# Altium PCB LPCB220R0.PcbDoc (part 2 of 4)
Units mm, origin at the board's own origin, x right, y up, seen from the top; angles counter-clockwise.
Board outline 259.35 x 183.7 mm, 4 copper layers (Top Layer, Internal Plane 1, Mid-Layer 1, Bottom Layer); 237 components, 229 nets, 1097 pads, 413 vias.
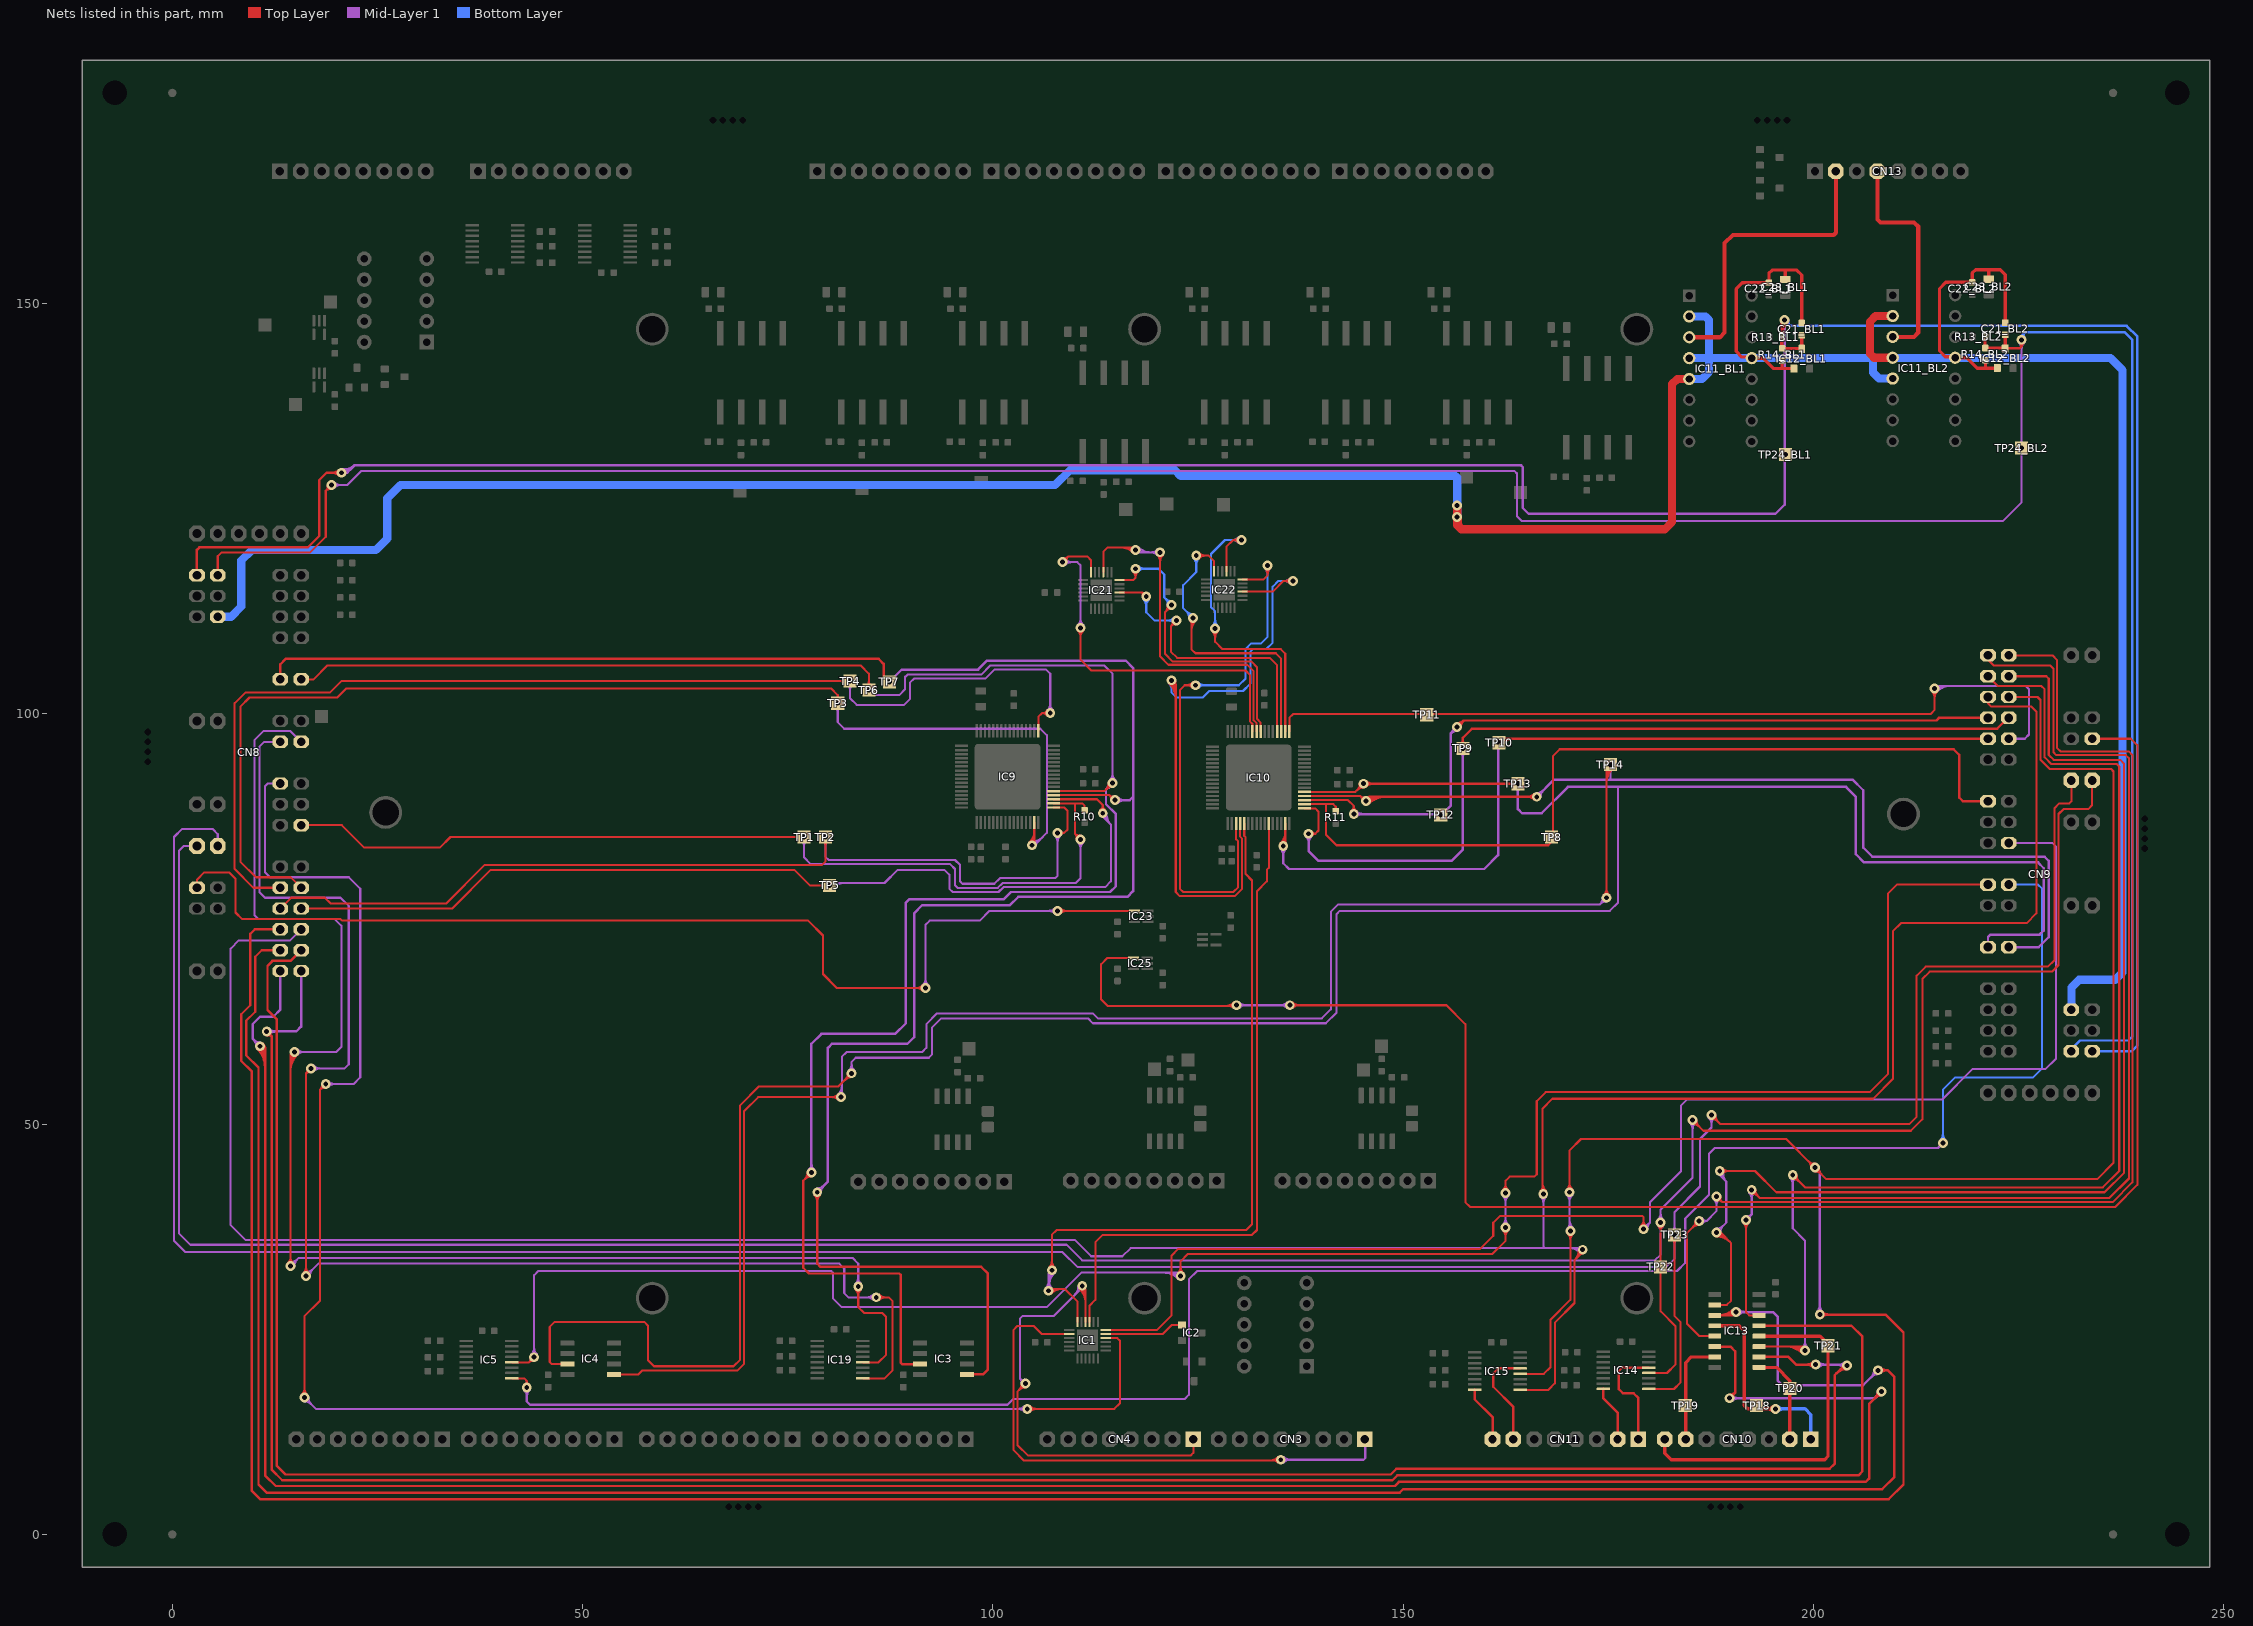
[diagram p4: the nets of this part, all layers, seen from the top]

## Via types
v1: diameter 1.2, hole 0.6, Top Layer to Bottom Layer, 341 vias
v2: diameter 0.6, hole 0.3, Top Layer to Bottom Layer, 60 vias
v3: diameter 0.5, hole 0.2, Top Layer to Bottom Layer, tented both sides, 12 vias

## Nets (pads, with @x,y where several pads share a name; then routed paths per layer and width w, separated by ;. In a path a pad name is that pad's centre, name@x,y a point inside that pad or via, vN(x,y) a via of type N, cw(c..) or ccw(c..) an arc to the next point about the centre after c; other vN are vias at no path point) (continued)
AGND: C21_BL1.2 C21_BL2.2 C22_BL1.2 C22_BL2.2 C23_BL1.2 C23_BL2.2 CN8.AGND CN9.AGND IC11_BL1.2 IC11_BL1.4 IC11_BL1.5 IC11_BL1.13 IC11_BL2.2 IC11_BL2.4 IC11_BL2.5 IC11_BL2.13 IC12_BL1.1 IC12_BL2.1 R14_BL1.1 R14_BL2.1 | length 448.8
  Top Layer w0.4: R14_BL1.1@196.2,143.05 196.2,142.1 ; C23_BL1.2@196.6,152.95 196.6,154.1 ; IC12_BL1.1@197.65,142.1 196.2,142.1 ; C21_BL1.2@198.6,147.65 198.6,153.5 198,154.1 196.6,154.1 ; IC11_BL2.13@217.17,143.55 216.09,143.55 215.39,144.25 215.39,151.85 216.14,152.6 C22_BL2.2@219.39,152.6 219.39,153.75 219.79,154.15 222.79,154.15 223.39,153.55 C21_BL2.2@223.39,147.7 ; IC11_BL2.13@217.3,143.42 218.72,143.42 219.99,142.15 220.99,142.15 ; R14_BL2.1@220.99,143.1 220.99,142.15 ; C23_BL2.2@221.39,153 221.39,154.15 ; IC12_BL2.1@222.44,142.15 220.99,142.15 ; 196.2,142.1 195.2,142.1 193.93,143.37 IC11_BL1.13@192.51,143.37 192.38,143.5 191.3,143.5 190.6,144.2 190.6,151.8 191.35,152.55 C22_BL1.2@194.6,152.55 194.6,153.7 195,154.1 196.6,154.1
  Top Layer w1: v1(156.6,125.4) v1(156.6,124) 156.6,123 157.1,122.5 ; v1@156.697,123.975 ccw(c158.191,123.591) 157.1,122.5 ; IC11_BL1.5@184.89,140.83 183.43,140.83 182.8,140.2 182.8,123.4 181.9,122.5 157.1,122.5 ; IC11_BL2.4@209.68,143.42 207.38,143.42 206.9,143.9 206.9,147.8 207.6,148.5 IC11_BL2.2@209.68,148.5
  Bottom Layer w1: CN8.AGND@5.54,111.84 7.14,111.84 8.4,113.1 8.4,118.7 9.7,120 24.8,120 26.2,121.4 26.2,126.3 27.8,127.9 107.6,127.9 109.4,129.7 122.2,129.7 122.9,129 156.4,129 156.6,128.8 v1(156.6,125.4) v1(156.6,124) ; IC11_BL1.5@184.89,140.83 186.43,140.83 187.3,141.7 187.3,143.37 ; IC11_BL1.4@184.89,143.37 187.3,143.37 ; IC11_BL1.2@184.89,148.45 186.85,148.45 187.3,148 187.3,143.37 ; IC11_BL2.5@209.68,140.88 208.02,140.88 207.3,141.6 207.3,143.37 ; CN9.AGND@231.46,63.96 231.46,66.66 232.4,67.6 236.8,67.6 237.7,68.5 237.7,141.9 236.23,143.37 207.3,143.37 ; 187.3,143.37 IC11_BL1.13@192.51,143.37 207.3,143.37
AP1_THROT_5V: CN3.1 IC1.20 | length 72.2
  Top Layer w0.254: IC1.20@109.325,24.425 105.975,24.425 105,25.4 103,25.4 102.5,24.9 102.5,10.3 103.8,9 123.9,9 135,9 v1(135.1,9.1) ; 133.717,9 ccw(c133.717,10.483) v1@134.766,9.434 ; 134.2,9 cw(c134.2,8.2) v1@134.766,8.766 ; 134.33,9 ccw(c134.33,9.87) v1@134.945,9.255
  Mid-Layer 1 w0.254: v1(135.1,9.1) 145.2,9.1 145.4,9.3 145.4,11.54 CN3.1@145.34,11.6 ; v1@135.434,8.766 cw(c136.242,7.958) 136.242,9.1 cw(c136.242,10.242) v1@135.434,9.434
AP2_THROT_5V: CN4.1 IC1.16 | length 64
  Top Layer w0.254: v1@103.527,18.4 cw(c102.385,18.4) 103.193,17.593 cw(c104,16.785) v1@104,17.927 ; v1(104,18.4) 103,17.4 103,10.9 104.3,9.6 124.1,9.6 124.44,9.94 CN4.1@124.44,11.6 ; v1@110.566,29.966 cw(c108.792,28.192) 111.3,28.192 ; v1@110.745,30.145 cw(c109.406,28.806) 111.3,28.806 ; v1(110.9,30.3) 111.3,29.9 IC1.16@111.3,25.9 ; v1@110.925,30.325 cw(c110.019,29.419) 111.3,29.419
  Mid-Layer 1 w0.254: v1@103.527,18.419 ccw(c102.75,18.45) 103.3,19 ; v1@103.868,18.854 cw(c103.707,19.407) 103.3,19 ; v1(104,18.4) 103.9,18.4 103.3,19 ; 109.951,29.151 ccw(c108.802,30.3) v1@110.427,30.3 ; 110.385,29.585 ccw(c109.669,30.3) v1@110.681,30.3 ; 110.434,29.634 cw(c110.9,29.168) v1@110.9,29.827 ; v1(110.9,30.3) 110.9,30.1 107.4,26.6 103.6,26.6 103.3,26.3 103.3,19
AUXPROP_DIR: IC1.11 IC2.1 | length 9.7
  Top Layer w0.254: IC1.11@113.775,24.425 120.725,24.425 121.825,25.525 IC2.1@123.05,25.525
B1_EXT: CN11.1 IC14.13 | length 13.9
  Top Layer w0.3: CN11.1@178.69,11.6 178.69,16.61 178.1,17.2 176.8,17.2 176.3,17.7 176.3,19.9 176.725,20.325 IC14.13@179.975,20.325
B1_RET: CN11.2 IC14.8 | length 6.8
  Top Layer w0.3: IC14.8@174.425,17.725 174.425,16.575 176.15,14.85 CN11.2@176.15,11.6
B2_EXT: CN11.7 IC15.13 | length 12.5
  Top Layer w0.3: CN11.7@163.45,11.6 163.45,15.55 161,18 161,19.6 161.625,20.225 IC15.13@164.275,20.225
B2_RET: CN11.8 IC15.8 | length 6.9
  Top Layer w0.3: IC15.8@158.725,17.625 158.725,16.475 160.91,14.29 CN11.8@160.91,11.6
B_AP_THROTTLE1: IC1.18 IC10.53 | length 100.8
  Top Layer w0.254: v1(106.8,29.7) 107,29.9 108.8,29.9 110.3,28.4 IC1.18@110.3,25.9 ; v1@106.866,32.534 ccw(c106.058,33.342) 107.2,33.342 ccw(c108.342,33.342) v1@107.534,32.534 ; v1@106.955,29.545 cw(c107.812,28.688) 107.812,29.9 ; v1@107.134,29.366 cw(c108.425,28.075) 108.425,29.9 ; v1@107.134,30.034 ccw(c107.459,30.359) 107.459,29.9 ; v1(107.2,32.2) 107.2,36.5 107.8,37.1 130.9,37.1 131.6,37.8 131.6,79.7 130.814,80.486 130.814,84.971 130.65,85.135 IC10.53@130.65,86.65
  Mid-Layer 1 w0.254: v1@106.466,30.034 ccw(c105.658,30.842) 106.8,30.842 ccw(c107.942,30.842) v1@107.134,30.034 ; v1@106.537,30.093 ccw(c106.045,30.826) 106.911,30.655 ; v1(106.8,29.7) 106.8,31.8 v1(107.2,32.2) ; v1@106.8,30.092 cw(c109.308,30.092) v1@107.534,31.866 ; 106.8,30.706 cw(c108.694,30.706) v1@107.355,32.045 ; 106.8,31.319 cw(c108.081,31.319) v1@107.175,32.225 ; 106.847,30.331 ccw(c107.434,30.216) v1@106.97,29.838 ; 106.952,30.862 ccw(c107.98,30.66) v1@107.167,29.998
B_AP_THROTTLE2: IC1.15 IC10.59 | length 80.5
  Top Layer w0.254: IC1.15@111.8,25.9 111.8,27.9 112.5,28.6 112.5,35.6 113.4,36.5 131.6,36.5 132.2,37.1 132.2,78.4 133.4,79.6 133.4,81 133.65,81.25 IC10.59@133.65,86.65
B_HE_THROTTLE1: IC10.26 IC21.18 | length 54.5
  Top Layer w0.254: v1(108.5,118.5) 109.2,119.2 ; v1@108.55,118.97 ccw(c108.635,119.765) 109.2,119.2 ; v1@108.97,118.55 cw(c109.765,118.635) 109.2,119.2 ; v1@110.366,110.166 cw(c109.558,109.358) 110.7,109.358 cw(c111.842,109.358) v1@111.034,110.166 ; v1(110.7,110.5) 110.7,106.6 112,105.3 130.8,105.3 131.372,104.728 131.372,99.057 131.65,98.779 IC10.26@131.65,97.85 ; IC21.18@111.97,117.283 111.97,118.73 111.5,119.2 109.2,119.2
  Mid-Layer 1 w0.254: v1(108.5,118.5) 110.3,118.5 110.7,118.1 v1(110.7,110.5) ; v1@108.834,118.166 cw(c109.642,117.358) 109.642,118.5 cw(c109.642,119.642) v1@108.834,118.834 ; v1@110.366,110.834 ccw(c109.558,111.642) 110.7,111.642 ccw(c111.842,111.642) v1@111.034,110.834
B_HE_THROTTLE2: IC10.25 IC21.15 | length 53.3
  Top Layer w0.254: IC21.15@113.47,117.283 113.47,119.77 114,120.3 117.1,120.3 v1(117.4,120) ; 115.534,120.3 cw(c115.534,118.134) v1@117.066,119.666 ; 116.147,120.3 cw(c116.147,118.747) v1@117.245,119.845 ; 116.76,120.3 cw(c116.76,119.36) v1@117.425,120.025 ; v1@120.066,119.366 cw(c119.258,118.558) 120.4,118.558 cw(c121.542,118.558) v1@120.734,119.366 ; v1@120.5,119.8 v1(120.4,119.7) 120.4,107 121.4,106 131,106 131.786,105.214 131.786,99.229 132.15,98.865 IC10.25@132.15,97.85
  Mid-Layer 1 w0.254: v1@117.375,119.975 ccw(c118.04,120.64) 118.04,119.7 ; v1(117.4,120) 117.7,119.7 v1(120.4,119.7) ; v1@117.555,120.155 ccw(c118.653,121.253) 118.653,119.7 ; v1@117.734,120.334 ccw(c119.266,121.866) 119.266,119.7 ; v1@120.066,119.366 ccw(c119.258,118.558) 119.258,119.7 ccw(c119.258,120.842) v1@120.066,120.034
B_HE_THROTTLE3: IC10.24 IC21.12 | length 44.8
  Top Layer w0.254: IC21.12@115.445,116.308 117.108,116.308 117.4,116.6 ; v1@117.075,117.357 cw(c116.358,116.6) 117.4,116.6 ; v1(117.4,117.7) 117.4,116.6 ; v1@117.725,117.357 ccw(c118.442,116.6) 117.4,116.6 ; 121.163,112.563 cw(c121.8,111.927) v1@121.8,112.827 ; v1@121.328,113.27 cw(c120.203,113.197) 121,112.4 ; 121.397,112.797 ccw(c120.949,113.245) v1@121.581,113.286 ; v1(121.8,113.3) 121.8,113.2 121,112.4 ; IC10.24@132.65,97.85 132.65,98.95 132.2,99.4 132.2,105.7 131.486,106.414 121.886,106.414 121,107.3 121,112.4
  Bottom Layer w0.254: v1(117.4,117.7) 120.2,117.7 120.9,117 120.9,114.2 v1(121.8,113.3) ; v1@117.734,117.366 cw(c118.542,116.558) 118.542,117.7 cw(c118.542,118.842) v1@117.734,118.034 ; v1@121.327,113.3 ccw(c120.185,113.3) 120.993,114.107 ccw(c121.8,114.915) v1@121.8,113.773
B_HE_THROTTLE4: IC10.20 IC21.9 | length 41
  Top Layer w0.254: IC21.9@115.445,114.808 118.192,114.808 ; v1@118.261,114.475 ccw(c117.973,114.589) 118.192,114.808 ; v1@118.525,114.739 cw(c118.411,115.027) 118.192,114.808 ; v1(118.7,114.3) 118.192,114.808 ; v1@121.93,111.35 cw(c121.135,111.265) 121.7,110.7 ; v1@122.35,110.93 ccw(c122.265,110.135) 121.7,110.7 ; v1(122.4,111.4) 121.7,110.7 ; IC10.20@134.65,97.85 134.65,105.95 133.772,106.828 122.472,106.828 121.7,107.6 121.7,110.7
  Bottom Layer w0.254: v1@118.366,113.966 cw(c117.558,113.158) 118.7,113.158 cw(c119.842,113.158) v1@119.034,113.966 ; v1(118.7,114.3) 118.7,112.4 119.7,111.4 v1(122.4,111.4) ; v1@122.066,111.066 ccw(c121.258,110.258) 121.258,111.4 ccw(c121.258,112.542) v1@122.066,111.734
B_HE_THROTTLE5: IC10.19 IC22.18 | length 45
  Top Layer w0.254: v1@124.066,111.366 cw(c123.741,111.041) 124.2,111.041 ; 124.2,110.075 cw(c126.025,110.075) v1@124.734,111.366 ; 124.2,110.688 cw(c125.412,110.688) v1@124.555,111.545 ; v1(124.4,111.7) 124.4,111.8 124.2,111.6 124.2,107.9 124.7,107.4 134.5,107.4 135.15,106.75 IC10.19@135.15,97.85 ; v1(124.8,119.3) 126.3,119.3 126.97,118.63 IC22.18@126.97,117.383 ; v1@125.134,118.966 cw(c125.942,118.158) 125.942,119.3 cw(c125.942,120.442) v1@125.134,119.634
  Bottom Layer w0.254: v1@123.927,111.7 ccw(c122.785,111.7) 123.593,112.507 ccw(c124.4,113.315) v1@124.4,112.173 ; v1(124.4,111.7) 123.2,112.9 123.2,115.7 124.8,117.3 v1(124.8,119.3) ; v1@124.466,118.966 cw(c123.658,118.158) 124.8,118.158 cw(c125.942,118.158) v1@125.134,118.966
B_HE_THROTTLE6: IC10.18 IC22.15 | length 46
  Top Layer w0.254: v1@126.766,110.066 cw(c125.958,109.258) 127.1,109.258 cw(c128.242,109.258) v1@127.434,110.066 ; v1(127.1,110.4) 127.1,108.8 128,107.9 135.1,107.9 135.65,107.35 IC10.18@135.65,97.85 ; IC22.15@128.47,117.383 128.47,120.37 129.3,121.2 ; v1@129.934,120.9 ccw(c129.3,120.38) 129.3,121.2 ; v1@129.934,121.5 cw(c129.3,122.02) 129.3,121.2 ; v1(130.3,121.2) 129.3,121.2
  Bottom Layer w0.254: v1@126.766,110.734 ccw(c125.958,111.542) 127.1,111.542 ccw(c128.242,111.542) v1@127.434,110.734 ; v1(127.1,110.4) 127.1,112.5 126.6,113 126.6,119.5 128.3,121.2 v1(130.3,121.2) ; v1@129.966,120.866 ccw(c129.158,120.058) 129.158,121.2 ccw(c129.158,122.342) v1@129.966,121.534
B_HE_THROTTLE7: IC10.51 IC22.12 | length 75.4
  Top Layer w0.254: v1@124.366,103.166 ccw(c123.558,102.358) 123.558,103.5 ccw(c123.558,104.642) v1@124.366,103.834 ; v1(124.7,103.5) 123.4,103.5 122.8,102.9 122.8,78.7 123.2,78.3 129.3,78.3 129.9,78.9 129.9,84.5 129.65,84.75 IC10.51@129.65,86.65 ; IC22.12@130.445,116.408 133.008,116.408 133.5,116.9 v1(133.5,118.1) ; v1@133.166,117.766 cw(c132.358,116.958) 133.5,116.958 cw(c134.642,116.958) v1@133.834,117.766
  Bottom Layer w0.254: v1(124.7,103.5) 130,103.5 130.8,104.3 130.8,107.9 131.5,108.6 132.7,108.6 133.5,109.4 v1(133.5,118.1) ; v1@125.034,103.166 cw(c125.842,102.358) 125.842,103.5 cw(c125.842,104.642) v1@125.034,103.834 ; v1@133.166,117.766 cw(c132.358,116.958) 133.5,116.958 cw(c134.642,116.958) v1@133.834,117.766
B_HE_THROTTLE8: IC10.52 IC22.9 | length 90.5
  Top Layer w0.254: v1@121.466,103.766 cw(c119.451,101.751) 122.3,101.751 ; v1@121.645,103.945 cw(c120.064,102.364) 122.3,102.364 ; v1(121.8,104.1) 122.3,103.6 ; v1@121.825,104.125 cw(c120.677,102.977) 122.3,102.977 ; v1@121.981,103.663 cw(c122.094,103.394) 122.3,103.6 ; v1@122.004,104.304 cw(c121.291,103.591) 122.3,103.591 ; v1@122.237,103.919 ccw(c122.506,103.806) 122.3,103.6 ; IC10.52@130.15,86.65 130.15,85.05 130.4,84.8 130.4,78.7 129.5,77.8 122.8,77.8 122.3,78.3 122.3,103.6 ; IC22.9@130.445,114.908 134.108,114.908 135.4,116.2 v1(136.6,116.2) ; v1@136.266,115.866 ccw(c135.458,115.058) 135.458,116.2 ccw(c135.458,117.342) v1@136.266,116.534
  Mid-Layer 1 w0.254: v1@136.4,116.4 v1(136.6,116.2)
  Bottom Layer w0.254: v1@121.466,103.766 cw(c120.658,102.958) 121.8,102.958 cw(c122.942,102.958) v1@122.134,103.766 ; v1(121.8,104.1) 121.8,102.6 122.4,102 125.6,102 126.4,102.8 130.5,102.8 131.4,103.7 131.4,107.6 131.7,107.9 133.3,107.9 134.1,108.7 134.1,115.5 134.8,116.2 v1(136.6,116.2) ; v1@136.266,115.866 ccw(c135.458,115.058) 135.458,116.2 ccw(c135.458,117.342) v1@136.266,116.534
BL_MA420IN1: CN13.2 IC11_BL1.3 | length 37
  Top Layer w0.5: IC11_BL1.3@184.89,145.91 188.61,145.91 189.2,146.5 189.2,157.4 190.2,158.4 202.5,158.4 202.75,158.65 CN13.2@202.75,166.138
BL_MA420IN2: CN13.4 IC11_BL2.3 | length 27.4
  Top Layer w0.5: CN13.4@207.83,166.138 207.83,160.27 208.2,159.9 212.3,159.9 212.8,159.4 212.8,146.5 212.26,145.96 IC11_BL2.3@209.68,145.96
BRAKE1_DIR: CN10.1 IC13.4 TP18.1 | length 27.5
  Top Layer w0.4: IC13.4@188,25.435 190.965,25.435 191.6,24.8 191.6,15.7 192,15.3 v1(195.4,15.3) ; v1@195.117,15.017 ccw(c194.434,14.334) 194.434,15.3 ccw(c194.434,16.266) v1@195.117,15.583
  Bottom Layer w0.4: v1(195.4,15.3) 199,15.3 199.69,14.61 CN10.1@199.69,11.6 ; v1@195.683,15.017 cw(c196.366,14.334) 196.366,15.3 cw(c196.366,16.266) v1@195.683,15.583
BRAKE1_STEP: CN10.2 IC13.9 TP20.1 | length 11.6
  Top Layer w0.4: IC13.9@193.4,20.355 195.545,20.355 197.15,18.75 CN10.2@197.15,11.6
BRAKE1_SW_EXT: CN8.T12 CN9.T12 IC14.12 TP22.1 | length 369.5
  Top Layer w0.254: IC14.12@179.975,19.675 182.175,19.675 183.2,20.7 183.2,25.4 181.4,27.2 v1(181.4,38) ; v1@181.066,37.666 cw(c180.258,36.858) 181.4,36.858 cw(c182.542,36.858) v1@181.734,37.666 ; v1@185.3,50.027 cw(c185.3,48.885) 186.107,49.693 cw(c186.915,50.5) v1@185.773,50.5 ; v1(185.3,50.5) 186.6,49.2 211.9,49.2 213.3,50.6 213.3,67.7 214.2,68.6 229.1,68.6 229.9,69.4 229.9,87.8 230.5,88.4 233.5,88.4 234,88.9 CN9.T12@234,91.9
  Mid-Layer 1 w0.254: CN8.T12@3,83.9 1.4,83.9 0.8,83.3 0.8,36.7 2.2,35.3 109,35.3 110.9,33.4 180.7,33.4 181.4,34.1 v1(181.4,38) 181.4,39.6 185.3,43.5 v1(185.3,50.5) ; v1@181.066,37.666 cw(c180.258,36.858) 181.4,36.858 cw(c182.542,36.858) v1@181.734,37.666 ; v1@181.066,38.334 ccw(c180.258,39.142) 181.4,39.142 ccw(c182.542,39.142) v1@181.734,38.334 ; v1@184.966,50.166 cw(c184.158,49.358) 185.3,49.358 cw(c186.442,49.358) v1@185.634,50.166
BRAKE1_SW_RET: CN8.T13 CN9.T13 IC14.9 TP23.1 | length 378.5
  Top Layer w0.254: IC14.9@179.975,17.725 183.025,17.725 183.8,18.5 183.8,25.9 183.1,26.6 v1(183.1,36.5) ; TP23.1@182.766,36.166 cw(c181.958,35.358) 183.1,35.358 cw(c184.242,35.358) TP23.1@183.434,36.166 ; v1@187.6,50.627 cw(c187.6,49.485) 188.407,50.293 cw(c189.215,51.1) v1@188.073,51.1 ; v1(187.6,51.1) 188.7,50 211.7,50 212.6,50.9 212.6,68.1 213.7,69.2 228.6,69.2 229.4,70 229.4,88.5 230,89.1 231.2,89.1 231.46,89.36 CN9.T13@231.46,91.9
  Mid-Layer 1 w0.254: 3.9,34.4 1.6,34.4 ; CN8.T13@5.54,83.9 5.54,85.36 4.9,86 1.2,86 0.2,85 0.2,35.8 1.6,34.4 ; v1@182.766,36.166 cw(c181.958,35.358) 183.1,35.358 cw(c184.242,35.358) v1@183.434,36.166 ; v1@182.766,36.834 ccw(c181.958,37.642) 183.1,37.642 ccw(c184.242,37.642) v1@183.434,36.834 ; v1@187.266,50.766 cw(c186.458,49.958) 187.6,49.958 cw(c188.742,49.958) v1@187.934,50.766 ; v1(187.6,51.1) 187.6,49.6 186.2,48.2 186.2,42.4 183.1,39.3 v1(183.1,36.5) 183.1,33.6 182.1,32.6 110.3,32.6 108.5,34.4 1.6,34.4
BRAKE2_DIR: CN10.7 IC13.7 TP19.1 | length 13.2
  Top Layer w0.4: CN10.7@184.45,11.6 184.45,20.95 185.125,21.625 IC13.7@188,21.625
BRAKE2_STEP: CN10.8 IC13.12 TP21.1 | length 44.6
  Top Layer w0.4: CN10.8@181.91,11.6 181.91,9.89 182.7,9.1 201.4,9.1 201.8,9.5 201.8,23.2 200.835,24.165 IC13.12@193.4,24.165
BRAKE2_SW_EXT: CN8.T22 CN9.T22 IC15.12 | length 507.8
  Top Layer w0.254: IC15.12@164.275,19.575 167.175,19.575 168,20.4 168,26.2 170.4,28.6 v1(170.4,37) ; v1@169.966,42.034 ccw(c169.158,42.842) 170.3,42.842 ccw(c171.442,42.842) v1@170.634,42.034 ; v1@170.066,36.666 cw(c169.258,35.858) 170.4,35.858 cw(c171.542,35.858) v1@170.734,36.666 ; v1(170.3,41.7) 170.3,46.8 171.7,48.2 196.7,48.2 v1(200.2,44.7) 201.6,43.3 234.6,43.3 236.6,45.3 236.6,92.986 236.286,93.3 228.8,93.3 227.7,94.4 227.7,101.7 227.34,102.06 CN9.T22@223.84,102.06 ; v1@199.727,44.7 ccw(c198.585,44.7) 199.393,45.507 ccw(c200.2,46.315) v1@200.2,45.173 ; v1@200.2,44.227 cw(c200.2,43.085) 201.007,43.893 cw(c201.815,44.7) v1@200.673,44.7
  Top Layer w0.3: CN8.T22@13.16,73.74 10.04,73.74 9.5,73.2 9.5,64.5 8.4,63.4 8.4,57.7 9.7,56.4 9.7,5.3 10.7,4.3 209.2,4.3 211,6.1 211,24.6 208.8,26.8 v1(200.8,26.8) ; v1@201.118,26.482 cw(c201.886,25.714) 201.886,26.8 cw(c201.886,27.886) v1@201.118,27.118
  Mid-Layer 1 w0.254: v1@169.966,41.366 cw(c169.158,40.558) 170.3,40.558 cw(c171.442,40.558) v1@170.634,41.366 ; v1@170.066,37.334 ccw(c169.5,37.9) 170.3,37.9 ; 170.3,37.77 ccw(c171.17,37.77) v1@170.555,37.155 ; 170.3,38.383 ccw(c171.783,38.383) v1@170.734,37.334 ; v1(170.3,41.7) 170.3,36.9 v1(170.4,37)
  Mid-Layer 1 w0.3: v1(200.2,44.7) 200.8,44.1 v1(200.8,26.8) ; v1@200.482,27.118 ccw(c199.714,27.886) 200.8,27.886 ccw(c201.886,27.886) v1@201.118,27.118
BRAKE2_SW_RET: CN8.T23 CN9.T23 IC15.9 | length 374.4
  Top Layer w0.254: IC15.9@164.275,17.625 167.725,17.625 168.5,18.4 168.5,25.8 170.9,28.2 170.9,33.4 ; v1@166.766,41.834 ccw(c166.199,42.4) 167,42.4 ; 167,42.27 ccw(c167.87,42.27) v1@167.255,41.655 ; 167,42.883 ccw(c168.483,42.883) v1@167.434,41.834 ; v1(167.1,41.5) 167,41.4 167,51.9 168.2,53.1 207.3,53.1 209.7,55.5 209.7,73.5 210.7,74.5 226,74.5 227.2,75.7 ; 171.326,33.826 ccw(c170.47,34.683) v1@171.681,34.697 ; v1@171.427,34.694 cw(c169.628,34.673) 170.9,33.4 ; 171.605,34.105 cw(c171.9,33.809) v1@171.9,34.227 ; v1(171.9,34.7) 171.9,34.4 170.9,33.4 ; CN9.T23@221.3,102.06 221.3,101.3 221.7,100.9 226.6,100.9 227.2,100.3 227.2,75.7 ; 227.2,78.4 227.2,75.7
  Mid-Layer 1 w0.254: CN8.T23@15.7,73.74 14.36,72.4 8.1,72.4 7.1,71.4 7.1,37.7 8.9,35.9 110,35.9 112,33.9 115.8,33.9 116.8,34.9 167.3,34.9 ; v1@166.766,41.166 cw(c165.958,40.358) 167.1,40.358 cw(c168.242,40.358) v1@167.434,41.166 ; v1(167.1,41.5) 167.1,35.1 167.3,34.9 ; 170.275,34.9 cw(c170.275,33.075) v1@171.566,34.366 ; 170.888,34.9 cw(c170.888,33.688) v1@171.745,34.545 ; 171.241,34.9 ccw(c171.241,35.359) v1@171.566,35.034 ; v1(171.9,34.7) 171.7,34.9 167.3,34.9
BRAKE_MLP1: C21_BL1.1 CN8.A10 CN9.A10 IC12_BL1.3 R13_BL1.1 R14_BL1.2 TP24_BL1.1 | length 389.3
  Top Layer w0.3: CN8.A10@3,116.92 3,120 3.3,120.3 16.5,120.3 17.9,121.7 17.9,128.5 18.8,129.4 v1(20.6,129.4) ; v1@20.282,129.082 ccw(c19.514,128.314) 19.514,129.4 ccw(c19.514,130.486) v1@20.282,129.718 ; R13_BL1.1@196.15,145.9 196.15,147.65 v1(196.5,148) ; R13_BL1.1@196.15,146.069 cw(c198.431,146.069) v1@196.818,147.682 ; 196.15,146.793 cw(c197.707,146.793) v1@196.606,147.894
  Top Layer w0.4: R13_BL1.1@196.15,145.9 196.15,144.6 R14_BL1.2@196.2,144.55 198.55,144.55 IC12_BL1.3@198.6,144.5 C21_BL1.1@198.6,146.15
  Mid-Layer 1 w0.3: v1@20.571,129.253 ccw(c20.751,130.161) 21.406,129.506 ; v1(20.6,129.4) 21.3,129.4 ; v1@20.629,129.547 ccw(c20.883,130.823) 21.803,129.903 ; v1@20.688,129.841 ccw(c21.015,131.485) 22.2,130.3 ; v1@21.009,129.213 cw(c21.3,129.081) 21.3,129.4 ; v1@21.009,129.587 ccw(c21.3,129.719) 21.3,129.4 ; v1@196.182,147.682 cw(c195.414,146.914) 196.5,146.914 cw(c197.586,146.914) v1@196.818,147.682 ; v1(196.5,148) 196.5,125.5 195.4,124.4 165.3,124.4 164.6,125.1 164.6,130.1 164.4,130.3 22.2,130.3 ; 21.3,129.4 22.2,130.3
  Bottom Layer w0.3: v1(196.5,148) 197.2,147.3 ; v1@196.531,147.551 cw(c196.589,146.689) 197.2,147.3 ; v1@196.949,147.969 ccw(c197.811,147.911) 197.2,147.3 ; CN9.A10@234,58.88 238.78,58.88 239.5,59.6 239.5,146 238.2,147.3 197.2,147.3
  other v1: 196.6,131.6
BRAKE_MLP2: C21_BL2.1 CN8.A11 CN9.A11 IC12_BL2.3 R13_BL2.1 R14_BL2.2 TP24_BL2.1 | length 379.4
  Top Layer w0.254: CN8.A11@5.54,116.92 5.54,119.24 6,119.7 16.8,119.7 18.7,121.6 18.7,127.2 ; v1@18.93,127.85 cw(c18.135,127.765) 18.7,127.2 ; v1@19.35,127.43 ccw(c19.265,126.635) 18.7,127.2 ; v1(19.4,127.9) 18.7,127.2
  Top Layer w0.3: IC12_BL2.3@223.39,144.55 225.15,144.55 225.4,144.8 ; v1@225.166,145.215 cw(c224.914,144.8) 225.4,144.8 ; v1(225.4,145.6) 225.4,144.8 ; v1@225.634,145.215 ccw(c225.886,144.8) 225.4,144.8